# Altium PCB PCB_Organo_Prueba.PcbDoc (part 2 of 2)
Units mm, origin at the board's own origin, x right, y up, seen from the top; angles counter-clockwise.
Board outline 122.86 x 89.76 mm, 2 copper layers (Top Layer, Bottom Layer); 83 components, 115 nets, 396 pads, 122 vias.
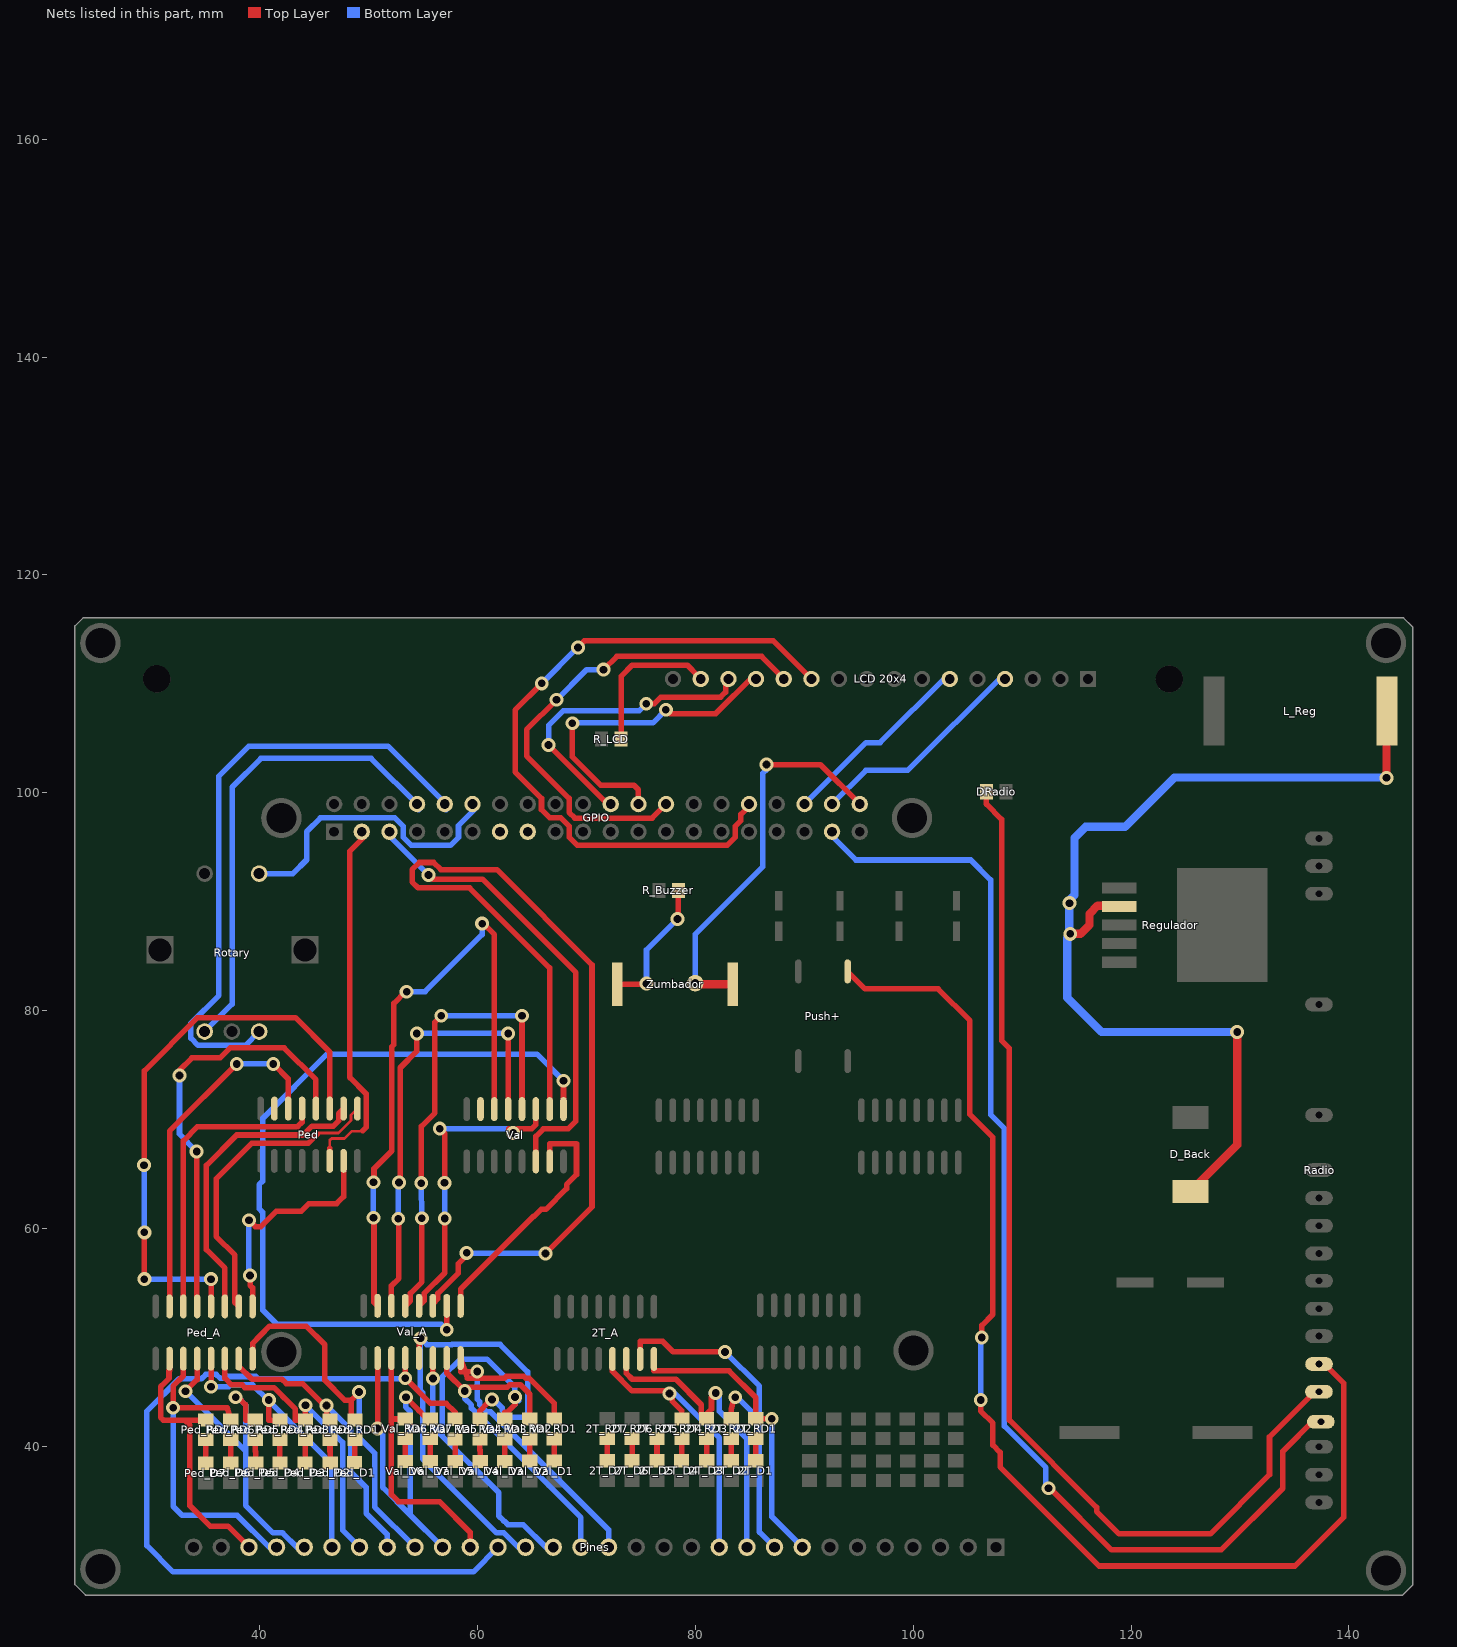
[diagram p2: the nets of this part, all layers, seen from the top]

## Via types
v1: diameter 1.27, hole 0.711, Top Layer to Bottom Layer, 122 vias

## Nets (pads, with @x,y where several pads share a name; then routed paths per layer and width w, separated by ;. In a path a pad name is that pad's centre, name@x,y a point inside that pad or via, vN(x,y) a via of type N, cw(c..) or ccw(c..) an arc to the next point about the centre after c; other vN are vias at no path point) (continued)
Net2T_A_13: 2T_A.13 2T_RD4.1 Pines.11 | length 26.3
  Top Layer w0.508: 2T_A.13@72.39,48.019 72.39,46.888 74.193,45.085 77.521,45.085 77.876,44.729 77.876,44.145 78.765,43.256 2T_RD4.1@78.765,42.52
  Bottom Layer w0.508: v1@77.749,44.983 78.003,44.983 82.194,40.792 Pines.11@82.194,30.734
  other v1: 77.622,44.856
Net2T_A_14: 2T_A.14 2T_RD3.1 Pines.10 | length 29.5
  Top Layer w0.508: 2T_A.14@73.66,48.019 73.66,46.696 74.204,46.152 78.207,46.152 80.543,43.815 80.543,43.013 2T_RD3.1@81.026,42.531 81.026,42.951 81.483,43.409 81.483,44.501 v1(81.864,44.882)
  Bottom Layer w0.508: v1@81.636,45.034 81.483,44.882 81.813,44.882 82.194,44.501 82.194,43.231 84.734,40.691 Pines.10@84.734,30.734
Net2T_A_15: 2T_A.15 2T_RD2.1 Pines.9 | length 34.7
  Top Layer w0.508: 2T_A.15@74.93,48.019 74.93,49.627 77.008,49.627 77.969,48.666 v1(82.728,48.666) ; 2T_RD2.1@83.287,42.531 83.287,43.383 v1@83.538,44.422
  Bottom Layer w0.508: v1(82.728,48.666) 85.877,45.517 85.877,42.469 ; v1@83.538,44.422 83.924,44.422 85.877,42.469 ; Pines.9@87.274,30.734 85.877,32.131 85.877,42.469
  other v1: 83.668,44.501
Net2T_A_16: 2T_A.16 2T_RD1.1 Pines.8 | length 27.8
  Top Layer w0.508: 2T_A.16@76.2,48.019 76.2,46.914 83.101,46.914 85.547,44.468 2T_RD1.1@85.547,42.531 v1(87.02,42.531)
  Bottom Layer w0.508: v1(87.02,42.531) 87.02,33.528 Pines.8@89.814,30.734
Net2T_D1_1: 2T_D1.1 2T_RD1.2 | length 2.1
  Top Layer w0.508: 2T_D1.1@85.547,38.67 2T_RD1.2@85.547,40.731
Net2T_D2_1: 2T_D2.1 2T_RD2.2 | length 2.1
  Top Layer w0.508: 2T_D2.1@83.287,38.67 2T_RD2.2@83.287,40.731
Net2T_D3_1: 2T_D3.1 2T_RD3.2 | length 2.1
  Top Layer w0.508: 2T_RD3.2@81.026,40.731 81.026,39.7 81.051,39.675 2T_D3.1@81.051,38.67
Net2T_D4_1: 2T_D4.1 2T_RD4.2 | length 2.1
  Top Layer w0.508: 2T_D4.1@78.74,38.67 78.74,39.675 78.765,39.7 2T_RD4.2@78.765,40.72
Net2T_D5_1: 2T_D5.1 2T_RD5.2 | length 2.1
  Top Layer w0.508: 2T_D5.1@76.479,38.67 2T_RD5.2@76.479,40.731
Net2T_D6_1: 2T_D6.1 2T_RD6.2 | length 2.1
  Top Layer w0.508: 2T_D6.1@74.193,38.67 2T_RD6.2@74.193,40.731
Net2T_D7_1: 2T_D7.1 2T_RD7.2 | length 2.1
  Top Layer w0.508: 2T_D7.1@71.907,38.67 2T_RD7.2@71.907,40.731
NetD_Back_K: D_Back.K L_Reg.2 Regulador.2 | length 91.4
  Top Layer w0.762: v1(114.427,87.046) 115.367,87.046 116.18,87.859 116.18,88.881 116.934,89.635 Regulador.2@118.257,89.635 ; D_Back.K@125.476,63.402 129.743,67.669 v1(129.743,78.029) ; v1(143.459,101.371) L_Reg.2@143.459,107.848
  Bottom Layer w0.762: v1(114.427,87.046) 114.325,87.147 114.325,90.119 114.808,90.602 114.808,95.86 115.824,96.876 119.456,96.876 123.977,101.397 143.434,101.397 v1(143.459,101.371) ; v1@114.579,87.122 114.148,86.69 114.148,81.178 117.297,78.029 v1(129.743,78.029)
  other v1: 114.351,89.865
NetDRadio_2: DRadio.2 Radio.21 | length 98.6
  Top Layer w0.508: DRadio.2@106.72,100.101 106.72,98.969 108.128,97.561 108.128,77.241 108.839,76.53 108.839,42.393 116.84,34.392 116.84,34.011 118.897,31.953 127.279,31.953 132.715,37.389 132.715,40.863 Radio.21@136.886,45.034
NetGPIO_3: GPIO.3 Ped.14 | length 33.5
  Top Layer w0.254: 46.431,67.356 46.431,68.097 46.588,68.254 47.791,68.254 48.468,68.931 49.474,68.931
  Top Layer w0.508: Ped.14@46.431,66.205 46.431,67.356 ; 49.458,68.956 49.779,69.277 49.779,72.364 48.285,73.858 48.285,94.64 GPIO.3@49.53,95.885
NetGPIO_5: GPIO.5 Val.14 | length 42.3
  Top Layer w0.508: v1(55.499,92.456) 55.88,92.075 60.452,92.075 69.037,83.49 69.037,69.85 68.326,69.139 66.04,69.139 65.354,68.453 Val.14@65.354,66.155
  Bottom Layer w0.508: GPIO.5@52.07,95.885 v1(55.499,92.456)
NetGPIO_8: GPIO.8 Rotary.A | length 43.9
  Bottom Layer w0.508: Rotary.A@34.95,78.08 37.465,80.594 37.465,100.508 40.107,103.149 50.241,103.149 54.61,98.781 GPIO.8@54.61,98.425
NetGPIO_10: GPIO.10 Rotary.B | length 57
  Bottom Layer w0.508: Rotary.B@39.95,78.08 38.68,76.81 34.341,76.81 33.68,77.47 33.68,78.842 36.246,81.407 36.246,101.524 39.014,104.292 51.765,104.292 57.15,98.908 GPIO.10@57.15,98.425
NetGPIO_12: GPIO.12 Rotary.E | length 27
  Bottom Layer w0.508: Rotary.E@39.95,92.58 43.05,92.58 44.323,93.853 44.323,96.444 45.58,97.7 52.415,97.7 53.2,96.915 53.2,95.897 53.937,95.16 57.519,95.16 58.256,95.897 58.256,96.991 GPIO.12@59.69,98.425
NetGPIO_13: GPIO.13
NetGPIO_15: GPIO.15
NetGPIO_22: "LCD 20x4.14" GPIO.22 | length 28.6
  Top Layer w0.508: v1(66.523,104.394) GPIO.22@72.034,98.882 ; v1(75.489,108.179) 76.235,108.179 76.844,108.788 82.321,108.788 82.781,109.248 82.781,110.74
  Bottom Layer w0.508: v1(66.523,104.394) 66.523,106.181 67.86,107.518 74.828,107.518 v1(75.489,108.179)
NetGPIO_24: "LCD 20x4.13" GPIO.24 | length 30.4
  Top Layer w0.508: v1(68.707,106.375) 68.707,103.302 71.298,100.711 74.346,100.711 74.778,100.279 GPIO.24@74.778,98.958 ; v1(77.292,107.62) 77.648,107.264 81.875,107.264 85.321,110.71 85.321,110.74
  Bottom Layer w0.508: v1@68.732,106.401 68.758,106.426 76.098,106.426 v1(77.292,107.62)
NetGPIO_26: "LCD 20x4.12" GPIO.26 | length 46
  Top Layer w0.508: v1(67.259,108.534) 64.516,105.791 64.516,103.379 68.416,99.479 68.416,98.194 68.933,97.676 76.036,97.676 GPIO.26@77.318,98.958 GPIO.26@77.294,98.958 ; v1(71.577,111.303) 72.796,112.522 86.079,112.522 87.861,110.74
  Bottom Layer w0.508: v1@67.12,108.394 70.028,111.303 v1(71.577,111.303)
NetGPIO_32: "LCD 20x4.11" GPIO.32 | length 64.7
  Top Layer w0.508: v1(65.9,110.045) 63.449,107.594 63.449,101.906 65.876,99.479 65.876,98.461 66.637,97.7 67.655,97.7 68.44,96.915 68.44,95.897 69.177,95.16 82.919,95.16 83.656,95.897 83.656,96.915 84.177,97.437 84.177,98.02 84.938,98.781 GPIO.32@84.938,98.958 ; v1(69.215,113.335) 69.19,113.335 69.799,113.944 87.173,113.944 90.377,110.74 90.401,110.74
  Bottom Layer w0.508: v1(65.9,110.045) 69.19,113.335 v1(69.215,113.335)
NetGPIO_36: "LCD 20x4.6" GPIO.36 | length 18
  Bottom Layer w0.508: GPIO.36@90.018,98.958 90.17,99.111 95.669,104.61 96.97,104.61 103.101,110.74
NetGPIO_37: GPIO.37 Radio.22 | length 107.9
  Top Layer w0.508: v1(112.42,36.144) 112.547,36.144 118.212,30.48 128.27,30.48 133.934,36.144 133.934,39.543 Radio.22@136.886,42.494
  Bottom Layer w0.508: GPIO.37@92.71,95.885 92.71,95.86 94.742,93.828 105.283,93.828 107.112,91.999 107.112,70.45 108.382,69.18 108.382,41.859 112.192,38.049 112.192,36.373 v1(112.42,36.144)
NetGPIO_38: "LCD 20x4.4" GPIO.38 | length 20.5
  Bottom Layer w0.508: GPIO.38@92.558,98.958 95.656,102.057 99.498,102.057 108.181,110.74
NetGPIO_40: GPIO.40 pad.1 Zumbador.1 | length 36
  Top Layer w0.508: v1(86.538,102.591) 91.465,102.591 GPIO.40@95.098,98.958
  Top Layer w0.762: pad.1@80.251,82.41 Zumbador.1@83.432,82.41
  Bottom Layer w0.508: pad.1@79.985,82.525 79.985,86.995 86.208,93.218 86.208,101.803 86.512,102.108 86.512,102.565 v1(86.538,102.591)
"NetLCD 20x4_15": "LCD 20x4.15" R_LCD.1 | length 13.6
  Top Layer w0.508: R_LCD.1@73.203,104.927 73.203,110.719 74.192,111.708 79.273,111.708 80.241,110.74
NetPed_1: Ped.1 Ped_A.2 | length 29.2
  Top Layer w0.254: 45.263,68.762 47.221,68.762 48.382,69.923 48.382,70.416 Ped.1@48.971,71.005
  Top Layer w0.508: Ped_A.2@38.075,52.844 37.719,53.2 37.719,57.544 35.992,59.271 35.992,64.541 39.268,67.818 44.45,67.818 45.267,68.635 ; Ped.1@48.971,70.256 Ped.1@48.971,71.005
NetPed_2: Ped.2 Ped_A.3 | length 29
  Top Layer w0.508: Ped_A.3@36.805,52.844 36.805,56.363 35.103,58.064 35.103,65.786 37.897,68.58 43.993,68.58 44.81,69.397 46.766,69.397 47.239,69.871 47.239,70.543 Ped.2@47.701,71.005 Ped.2@47.701,70.781
NetPed_3: Ped.3 Ped_A.4 | length 53.3
  Top Layer w0.508: v1(29.388,65.811) 29.413,65.837 29.413,74.473 34.29,79.35 43.282,79.35 46.431,76.2 Ped.3@46.431,71.005 ; v1(29.413,55.347) v1(29.413,59.639) ; Ped_A.4@35.535,52.844 v1(35.535,55.347)
  Bottom Layer w0.508: v1@29.388,59.665 v1(29.388,65.811) ; v1(29.413,55.347) v1(35.535,55.347)
NetPed_4: Ped.4 Ped_A.5 | length 39.6
  Top Layer w0.508: v1(32.639,74.041) 32.639,74.524 33.782,75.667 36.373,75.667 37.287,76.581 42.24,76.581 45.161,73.66 Ped.4@45.161,71.005 ; Ped_A.5@34.214,52.844 v1(34.214,67.056)
  Bottom Layer w0.508: v1(32.639,74.041) 32.639,68.682 v1(34.214,67.056)
NetPed_5: Ped.5 Ped_A.6 | length 28.1
  Top Layer w0.508: Ped_A.6@32.995,52.844 32.995,68.047 34.29,69.342 43.485,69.342 43.891,69.748 Ped.5@43.891,71.005
NetPed_6: Ped.6 Ped_A.7 | length 32.8
  Top Layer w0.508: Ped_A.7@31.725,52.844 31.725,68.936 v1(37.897,75.108) ; v1(41.25,75.108) 42.621,73.736 Ped.6@42.621,71.005
  Bottom Layer w0.508: v1(37.897,75.108) v1(41.25,75.108)
NetPed_7: Ped.7
NetPed_15: Ped.15 Ped_A.1 | length 21.4
  Top Layer w0.508: v1(39.014,60.757) 39.599,60.173 40.107,60.173 41.529,61.595 43.831,61.595 44.517,62.281 47.066,62.281 47.701,62.916 Ped.15@47.701,66.205 ; v1(39.116,55.677) 39.116,54.762 39.345,54.534 Ped_A.1@39.345,52.844
  Bottom Layer w0.508: v1(39.014,60.757) 39.014,55.778 v1(39.116,55.677)
NetPed_A_10: Ped_A.10 Ped_RD7.1 Pines.28 | length 24.4
  Top Layer w0.508: Ped_A.10@31.725,48.044 31.725,46.965 31.674,46.914 31.674,46.23 31.293,45.849 31.293,45.847 30.912,45.466 30.912,42.647 31.166,42.393 Ped_RD7.1@34.467,42.393 ; 33.122,42.393 33.579,41.935 33.579,34.544 35.458,32.664 37.084,32.664 Pines.28@39.014,30.734
NetPed_A_11: Ped_A.11 Ped_RD6.1 Pines.27 | length 31.1
  Top Layer w0.508: Ped_A.11@32.995,48.044 32.995,46.473 32.055,45.533 v1(32.055,43.536) 37.008,43.536 Ped_RD6.1@37.338,42.404
  Bottom Layer w0.508: v1(32.055,43.536) 32.055,34.493 32.893,33.655 37.943,33.655 40.864,30.734 Pines.27@41.554,30.734
NetPed_A_12: Ped_A.12 Ped_RD5.1 Pines.26 | length 32.1
  Top Layer w0.508: v1(33.198,45.06) 34.265,46.126 Ped_A.12@34.265,48.044 ; v1(37.795,44.501) 37.998,44.501 38.71,43.79 38.71,42.404 Ped_RD5.1@39.599,42.404
  Bottom Layer w0.508: v1(33.198,45.06) 38.71,39.548 ; v1(37.795,44.501) 37.998,44.501 38.71,43.79 38.71,39.548 ; Pines.26@44.094,30.734 43.404,30.734 42.096,32.042 41.237,32.042 38.71,34.569 38.71,39.548
NetPed_A_13: Ped_A.13 Ped_RD4.1 Pines.25 | length 27.4
  Top Layer w0.508: v1(35.535,45.466) Ped_A.13@35.535,48.044 ; v1(40.843,44.247) 40.843,43.764 40.869,43.739 40.843,43.713 40.843,42.404 Ped_RD4.1@41.859,42.404
  Bottom Layer w0.508: v1(35.535,45.466) 37.144,45.466 37.322,45.644 39.345,45.644 v1@40.843,44.145 ; v1@40.805,44.209 46.634,38.379 Pines.25@46.634,30.734
NetPed_A_14: Ped_A.14 Ped_RD3.1 Pines.24 | length 27.7
  Top Layer w0.508: Ped_A.14@36.805,48.044 36.805,46.253 37.414,45.644 38.379,45.644 38.633,45.39 41.317,45.39 42.134,44.572 42.134,44.552 ; 42.215,44.475 43.282,43.409 43.282,42.404 Ped_RD3.1@44.196,42.404 v1(44.196,43.764)
  Bottom Layer w0.508: v1(44.196,43.764) 47.606,40.354 47.606,32.302 Pines.24@49.174,30.734
NetPed_A_15: Ped_A.15 Ped_RD2.1 Pines.23 | length 28.1
  Top Layer w0.508: Ped_A.15@38.111,47.295 38.075,47.295 Ped_A.15@38.075,48.044 38.075,47.372 39.295,46.152 42.037,46.152 42.443,45.745 43.942,45.745 45.95,43.738 46.163,43.738 v1@46.162,43.703 ; v1(46.126,43.739) v1@46.162,43.703 ; Ped_RD2.1@46.457,42.404 46.126,42.404 46.127,42.413 v1@46.162,43.703
  Bottom Layer w0.508: v1(46.126,43.739) 48.368,41.497 48.368,37.649 49.784,36.233 49.784,33.833 51.714,31.902 Pines.23@51.714,30.734
NetPed_A_16: Ped_A.16 Ped_RD1.1 Pines.22 | length 36
  Top Layer w0.508: Ped_A.16@39.345,47.241 Ped_A.16@39.345,48.044 39.345,49.454 40.1,50.209 40.1,50.22 40.908,51.029 44.272,51.029 45.974,49.327 45.974,46.076 47.803,44.247 48.412,44.247 ; Ped_RD1.1@48.743,42.418 48.412,42.748 48.412,44.247 ; v1(49.13,44.983) 48.412,44.266 48.412,44.247
  Bottom Layer w0.508: v1(49.13,44.983) 49.13,40.786 50.55,39.366 50.55,34.438 Pines.22@54.254,30.734
NetPed_D1_1: Ped_D1.1 Ped_RD1.2 | length 2.1
  Top Layer w0.508: Ped_D1.1@48.717,38.492 48.717,39.522 48.743,39.548 Ped_RD1.2@48.743,40.618
NetPed_D2_1: Ped_D2.1 Ped_RD2.2 | length 2.1
  Top Layer w0.508: Ped_RD2.2@46.457,40.604 46.457,39.548 46.482,39.522 Ped_D2.1@46.482,38.467
NetPed_D3_1: Ped_D3.1 Ped_RD3.2 | length 2.1
  Top Layer w0.508: Ped_D3.1@44.171,38.467 44.171,39.522 44.196,39.548 Ped_RD3.2@44.196,40.604
NetPed_D4_1: Ped_D4.1 Ped_RD4.2 | length 2.1
  Top Layer w0.508: Ped_D4.1@41.859,38.467 Ped_RD4.2@41.859,40.604
NetPed_D5_1: Ped_D5.1 Ped_RD5.2 | length 2.2
  Top Layer w0.508: Ped_RD5.2@39.599,40.604 39.599,39.548 39.649,39.497 Ped_D5.1@39.649,38.467
NetPed_D6_1: Ped_D6.1 Ped_RD6.2 | length 2.1
  Top Layer w0.508: Ped_D6.1@37.338,38.467 Ped_RD6.2@37.338,40.604
NetPed_D7_1: Ped_D7.1 Ped_RD7.2 | length 2.2
  Top Layer w0.508: Ped_D7.1@35.052,38.441 Ped_RD7.2@35.052,40.604
NetPines_15: Pines.15 Val_A.16 Val_RD1.1 | length 36.6
  Top Layer w0.508: v1(59.969,46.863) 58.864,46.863 ; Val_RD1.1@67.056,42.491 67.056,43.936 64.764,46.228 64.441,46.228 64.238,46.431 62.66,46.431 62.457,46.228 59.08,46.228 58.864,46.863 ; 58.864,46.863 58.445,46.863 Val_A.16@58.445,48.095 58.864,46.863
  Bottom Layer w0.508: v1(59.969,46.863) 59.969,44.334 60.198,44.105 60.198,43.824 60.868,43.155 61.214,43.155 72.034,32.334 Pines.15@72.034,30.734
NetPines_16: Pines.16 Val_A.15 Val_RD2.1 | length 31.4
  Top Layer w0.508: Val_A.15@57.175,48.095 57.175,46.736 v1@58.8,45.112 ; v1(58.826,45.085) v1@58.8,45.112 ; Val_RD2.1@64.795,42.491 64.795,44.796 63.923,45.669 62.976,45.669 62.747,45.441 59.128,45.441 v1@58.8,45.112
  Bottom Layer w0.508: v1(58.826,45.085) 58.826,44.399 59.436,43.79 59.436,43.509 69.494,33.45 Pines.16@69.494,30.734
NetPines_17: Pines.17 Val_A.14 Val_RD3.1 | length 41.6
  Top Layer w0.508: v1(55.905,46.228) Val_A.14@55.905,48.095 ; Val_RD3.1@62.509,42.48 62.509,43.104 62.713,43.104 63.449,43.84 v1(63.449,44.526)
  Bottom Layer w0.508: v1(55.905,46.228) 55.905,41.783 56.759,40.929 ; 62.433,33.122 61.951,33.604 61.951,35.738 56.759,40.929 ; 62.459,33.122 62.776,32.804 64.194,32.804 66.264,30.734 Pines.17@66.954,30.734 ; 63.449,43.84 v1(63.449,44.526) ; v1@63.792,44.183 63.398,44.577 63.398,45.466 60.858,48.006 58.42,48.006 56.759,46.345 56.759,40.929
NetPines_18: Pines.18 Val_A.13 Val_RD4.1 | length 47
  Top Layer w0.508: Val_A.13@54.635,48.095 54.635,49.784 v1(54.762,49.911) ; Val_RD4.1@60.223,42.48 60.223,43.256 v1@60.935,43.967
  Bottom Layer w0.508: v1(61.341,44.298) 61.493,44.298 62.255,43.536 62.255,43.316 62.925,42.647 64.541,42.647 64.541,42.926 64.592,42.977 64.592,46.838 62.078,49.352 57.674,49.352 57.649,49.327 55.347,49.327 v1(54.762,49.911) 54.762,45.137 54.967,44.932 54.967,38.835 61.76,32.042 62.416,32.042 63.724,30.734 Pines.18@64.414,30.734
NetPines_19: Pines.19 Val_A.12 Val_RD5.1 | length 80.3
  Top Layer w0.508: Val_A.12@53.365,48.095 v1(53.365,46.253) 55.677,43.942 57.125,43.942 57.937,43.129 Val_RD5.1@57.937,42.48
  Bottom Layer w0.508: v1(53.365,46.253) 53.315,46.203 39.863,46.203 39.66,46.406 37.006,46.406 36.828,46.228 36.389,46.228 36.008,46.609 35.061,46.609 34.655,46.203 32.614,46.203 29.642,43.231 29.642,30.886 32.055,28.473 59.614,28.473 Pines.19@61.874,30.734
NetPines_20: Pines.20 Val_A.11 Val_RD6.1 | length 23.8
  Top Layer w0.508: Val_A.11@52.095,48.095 52.095,42.505 ; Val_RD6.1@53.365,42.505 52.095,42.505 ; Pines.20@59.334,30.734 59.334,32.099 56.515,34.918 52.737,34.918 52.095,35.56 52.095,42.505
NetPines_21: Pines.21 Val_A.10 Val_RD7.1 | length 34.4
  Top Layer w0.508: v1(50.825,41.631) Val_A.10@50.825,48.095 ; v1@53.391,44.45 v1(53.442,44.501) 54.624,43.267 55.651,42.189 Val_RD7.1@55.651,42.505
  Bottom Layer w0.508: v1(50.825,41.631) 51.312,41.144 51.312,36.216 53.823,33.706 ; v1(53.442,44.501) 53.391,43.612 53.823,43.18 53.823,33.706 ; Pines.21@56.794,30.734 53.823,33.706
NetPush+_1: Push+.1 Radio.20 | length 109
  Top Layer w0.508: Push+.1@93.98,83.591 95.58,81.991 102.287,81.991 105.199,79.079 105.199,70.467 107.315,68.351 107.315,52.121 106.299,51.105 v1(106.299,49.987) v1@106.197,49.886 ; v1(106.197,44.247) 106.197,43.256 107.315,42.139 107.315,40.107 107.975,39.446 107.975,38.1 117.069,29.007 135.052,29.007 139.522,33.477 139.522,45.796 137.744,47.574 Radio.20@136.881,47.574
  Bottom Layer w0.508: v1(106.197,44.247) v1@106.197,49.886
NetR_Buzzer_2: R_Buzzer.2 Zumbador.2 | length 12.4
  Top Layer w0.508: Zumbador.2@72.832,82.41 v1@75.514,82.41 ; v1@78.446,88.417 R_Buzzer.2@78.446,91.034
  Bottom Layer w0.508: v1(75.514,82.474) 75.514,85.573 v1(78.359,88.417)
NetVal_1: Val.1 Val_A.2 | length 71.4
  Top Layer w0.508: v1(57.175,50.698) Val_A.2@57.175,52.895 ; Val.1@67.894,70.955 v1(67.894,73.558)
  Bottom Layer w0.508: v1(57.175,50.698) 56.667,51.206 41.58,51.206 40.284,52.502 40.284,61.481 39.954,61.811 39.954,64.021 40.284,64.351 40.284,70.104 46.177,75.997 65.456,75.997 v1(67.894,73.558)
NetVal_2: Val.2 Val_A.3 | length 92.4
  Top Layer w0.508: Val_A.3@55.905,52.895 55.905,53.088 56.367,53.55 56.367,54.03 58.242,55.905 58.242,56.769 59.03,57.556 v1@59.03,57.785 ; v1(66.243,57.709) 70.51,61.976 70.51,84.201 61.773,92.939 56.633,92.939 55.972,93.599 54.661,93.599 54,92.939 54,91.821 54.559,91.262 59.284,91.262 66.624,83.922 Val.2@66.624,70.955
  Bottom Layer w0.508: v1@58.928,57.709 v1(66.243,57.709)
  other v1: 59.004,57.76
NetVal_3: Val.3 Val_A.4 | length 28.2
  Top Layer w0.508: Val_A.4@54.635,52.895 55.097,53.357 55.097,54.03 56.998,55.93 v1(56.998,60.909) ; v1(56.54,69.164) 56.998,68.707 v1@56.998,64.186 ; v1@62.865,69.164 v1(63.271,68.758) 63.678,69.164 64.988,69.164 65.354,69.531 Val.3@65.354,70.955
  Bottom Layer w0.508: v1(56.54,69.164) v1@62.865,69.164 ; v1(56.998,60.909) v1@56.998,64.186
  other v1: 56.972,64.186
NetVal_4: Val.4 Val_A.5 | length 44
  Top Layer w0.508: Val_A.5@53.365,52.895 53.827,53.357 53.827,54.03 54.889,55.092 v1(54.889,60.935) ; v1(54.839,64.16) 54.839,69.367 56.083,70.612 56.083,78.943 v1(56.667,79.527) ; Val.4@64.084,70.955 v1(64.084,79.527)
  Bottom Layer w0.508: v1(54.839,64.16) v1(54.889,60.935) ; v1(56.667,79.527) v1(64.084,79.527)
NetVal_5: Val.5 Val_A.6 | length 41.3
  Top Layer w0.508: Val_A.6@52.095,52.895 52.095,54.737 52.781,55.423 52.781,60.833 v1(52.73,60.884) ; v1(52.781,64.211) 52.908,64.338 52.908,74.752 54.432,76.276 v1(54.432,77.902) ; Val.5@62.814,70.955 v1(62.814,77.902)
  Bottom Layer w0.508: v1(52.73,60.884) v1@52.73,64.211 ; v1(54.432,77.902) v1(62.814,77.902)
NetVal_6: Val.6 Val_A.7 | length 58
  Top Layer w0.508: v1(50.444,60.985) 50.495,60.935 50.495,53.225 Val_A.7@50.825,52.895 ; v1(50.444,64.237) 50.495,64.287 50.495,65.481 52.146,67.132 52.146,76.693 52.324,76.871 52.324,80.67 53.391,81.737 v1(53.492,81.737) ; v1(60.427,87.986) 60.528,87.986 61.544,86.97 Val.6@61.544,70.955
  Bottom Layer w0.508: v1(50.444,60.985) v1(50.444,64.237) ; v1(53.492,81.737) 55.194,81.737 60.427,86.97 v1(60.427,87.986)
NetVal_7: Val.7
NetVal_15: Val.15 Val_A.1 | length 23.7
  Top Layer w0.508: Val_A.1@58.445,52.895 58.445,54.419 65.164,61.138 65.227,61.138 65.837,61.747 66.281,61.747 68.186,63.652 68.186,64.033 69.088,64.935 69.088,67.767 66.624,67.767 Val.15@66.624,66.155
NetVal_D1_1: Val_D1.1 Val_RD1.2 | length 2.1
  Top Layer w0.508: Val_D1.1@67.056,38.63 Val_RD1.2@67.056,40.691
NetVal_D2_1: Val_D2.1 Val_RD2.2 | length 2.1
  Top Layer w0.508: Val_D2.1@64.795,38.63 Val_RD2.2@64.795,40.691
NetVal_D3_1: Val_D3.1 Val_RD3.2 | length 2.1
  Top Layer w0.508: Val_D3.1@62.509,38.619 Val_RD3.2@62.509,40.68
NetVal_D4_1: Val_D4.1 Val_RD4.2 | length 2.1
  Top Layer w0.508: Val_RD4.2@60.223,40.68 60.223,39.649 60.249,39.624 Val_D4.1@60.249,38.619
NetVal_D5_1: Val_D5.1 Val_RD5.2 | length 2.1
  Top Layer w0.508: Val_RD5.2@57.937,40.68 57.937,39.649 57.963,39.624 Val_D5.1@57.963,38.619
NetVal_D6_1: Val_D6.1 Val_RD6.2 | length 2.1
  Top Layer w0.508: Val_D6.1@53.365,38.594 Val_RD6.2@53.365,40.705
NetVal_D7_1: Val_D7.1 Val_RD7.2 | length 2.1
  Top Layer w0.508: Val_D7.1@55.651,38.594 Val_RD7.2@55.651,40.705
pads on no net: 1T.9 2T.9 "LCD 20x4.3" "LCD 20x4.7" "LCD 20x4.8" "LCD 20x4.9" "LCD 20x4.10" GPIO.1 GPIO.16 GPIO.17 GPIO.18 GPIO.19 GPIO.21 GPIO.23 GPIO.27 GPIO.28 GPIO.29 GPIO.31 GPIO.33 GPIO.35 Ped.9 Pines.29 Push+.2 Push+.4 Radio.3 Radio.11 Radio.13 Radio.14 Radio.17 Radio.23 Radio.24 Radio.25 Rotary. Val.9

## Polygon pours and split planes (outlines as drawn)
5V on Top Layer "5V" (solid, remove dead copper, pour order 51): 23.812,116.069 23.828,116.053 144.98,116.053 145.012,116.053 145.863,115.202 145.879,115.186 145.879,27.426 145.879,27.305 144.882,26.307 24.079,26.307 24.057,26.307 23.022,27.342 23.044,27.364 23.044,115.312
12V on Top Layer "12V" (solid, remove dead copper, pour order 49): 23.774,116.053 144.98,116.053 144.99,116.053 145.879,115.164 145.842,115.126 145.842,27.234 145.8,27.234 144.882,26.316 144.873,26.307 24.079,26.307 24.057,26.307 23.022,27.342 23.006,27.358 23.006,115.241
GND on Top Layer "GND" (solid, remove dead copper, pour order 47): 145.879,27.305 145.879,115.164 145.879,115.186 144.996,116.069 144.98,116.053 23.774,116.053 23.038,115.318 23.022,115.302 23.022,27.342 24.041,26.323 144.92,26.323

## Other copper
Top Layer:
  rectangle net 5V: 115.138,80.543 117.5,82.829
  rectangle net 5V: 116.23,78.969 134.595,82.118
  rectangle net 5V: 112.319,40.132 121.006,45.314
  rectangle net 12V: 28.092,107.747 28.854,112.928
  rectangle net 12V: 28.245,112.37 33.274,114.503
  rectangle net 12V: 32.106,108.204 33.604,111.557
  rectangle net 12V: 24.232,31.191 27.229,32.817
  rectangle net 12V: 31.115,91.999 33.325,95.91
  rectangle net 12V: 25.298,94.437 26.416,101.219
  rectangle net 12V: 27.813,107.645 28.575,114.097
  rectangle net 5V: 112.268,108.306 114.351,111.633
  rectangle net 12V: 27.534,101.93 32.106,108.636
  rectangle net 12V: 24.232,101.067 26.416,102.133
  rectangle net 5V: 102.057,92.075 105.588,104.851
  rectangle net 12V: 25.248,33.172 27.915,91.999
  rectangle net 5V: 125.679,103.861 128.219,111.15
  rectangle net 5V: 113.436,105.461 127.965,108.636
  rectangle net 5V: 112.065,66.142 112.674,76.225
  rectangle net 12V: 87.071,85.598 105.816,88.392
  rectangle net 12V: 84.658,85.141 88.316,88.367
  rectangle net 12V: 27.813,114.097 33.02,115.087
  rectangle net 12V: 115.951,90.526 120.828,96.215
  rectangle net 5V: 129.921,61.265 134.468,66.548
  rectangle net 5V: 129.921,50.394 134.468,61.265
  rectangle net 12V: 140.208,31.242 145.034,95.656
  rectangle net 5V: 116.967,40.132 123.19,45.695
  rectangle net 5V: 110.566,45.314 123.19,48.971
  rectangle net 12V: 117.475,53.696 122.352,76.733
  rectangle net 12V: 28.397,101.067 32.182,108.179
  rectangle net 12V: 26.416,94.437 33.325,102.133
  rectangle net 12V: 26.238,90.246 29.286,91.999
  rectangle net 12V: 28.372,89.205 33.325,91.999
  rectangle net 12V: 26.848,87.732 38.227,90.703
  rectangle net 12V: 32.131,111.963 62.027,115.087
  rectangle net 12V: 42.926,51.562 44.933,59.284
  rectangle net 12V: 95.758,60.782 97.561,62.23
  rectangle net 12V: 101.27,112.42 116.51,115.087
  rectangle net 12V: 62.027,114.452 101.549,115.087
  rectangle net 12V: 90.018,112.42 101.27,114.884
  rectangle net 12V: 84.658,79.883 88.341,85.141
  rectangle net 12V: 86.665,69.418 88.341,80.366
  rectangle net 12V: 32.131,111.404 62.027,112.319
  rectangle net 12V: 27.102,78.334 30.988,82.398
  rectangle net 12V: 86.665,79.781 88.341,83.566
  rectangle net 12V: 80.797,50.267 84.404,52.299
  rectangle net 12V: 51.994,104.343 54.94,107.772
  rectangle net 12V: 31.801,106.985 41.605,108.28
  rectangle net 12V: 32.461,106.985 54.966,112.065
  region net 12V: 31.771,103.214 52.675,103.135 52.678,103.847 31.774,103.926
  rectangle net 12V: 25.07,52.248 25.298,101.219
  rectangle net 12V: 24.917,31.826 27.203,52.248
  rectangle net 12V: 43.358,51.537 45.441,59.309
  rectangle net 12V: 41.529,51.562 45.009,57.201
  rectangle net 12V: 42.596,51.562 45.237,59.309
  rectangle net 12V: 45.39,55.448 46.279,59.309
  rectangle net 12V: 28.143,46.279 29.312,47.727
  rectangle net 12V: 30.124,49.632 31.09,50.825
  rectangle net 12V: 83.744,50.292 84.988,52.299
  rectangle net 12V: 49.428,77.394 51.562,92.608
  rectangle net 12V: 37.059,103.124 54.966,107.721
  rectangle net 5V: 110.566,45.314 112.319,97.18
  rectangle net 5V: 109.093,79.629 112.243,97.18
  rectangle net 5V: 57.455,101.752 61.747,108.814
  rectangle net 5V: 80.747,105.054 113.487,106.502
  rectangle net 5V: 79.375,105.893 81.788,106.502
  rectangle net 5V: 109.093,97.155 110.312,106.147
  rectangle net 5V: 108.077,99.238 109.779,105.131
  rectangle net 5V: 112.725,105.054 116.103,106.782
  rectangle net 5V: 114.935,101.295 116.078,105.512
  rectangle net 5V: 109.931,100.051 116.078,101.295
  rectangle net NetGPIO_3: 48.484,68.732 49.479,69.088
  rectangle net NetGPIO_3: 46.228,67.234 46.685,67.869
  rectangle net NetGPIO_3: 48.387,68.707 49.454,68.809
  rectangle net NetPed_1: 48.26,69.672 48.971,70.891
  rectangle net 12V: 25.07,31.217 26.111,52.248
  rectangle net 12V: 27.559,29.616 35.052,31.902
  rectangle net 12V: 27.203,45.923 29.312,52.248
  rectangle net 12V: 32.106,102.108 33.274,103.276
  rectangle net 12V: 24.232,31.471 25.07,101.067
  rectangle net 12V: 26.822,31.217 29.312,45.923
  rectangle net 12V: 27.559,28.118 35.077,29.718
  rectangle net 5V: 75.59,103.581 109.271,105.207
  rectangle net 5V: 79.604,104.775 82.017,106.604
  rectangle net 5V: 78.003,105.08 80.467,106.121
  rectangle net 5V: 78.765,105.893 80.924,106.578
  rectangle net 5V: 79.375,105.994 80.239,106.629
  rectangle net 5V: 77.749,104.851 78.613,105.461
  rectangle net 5V: 74.93,103.581 76.632,104.394
  rectangle net 5V: 77.419,92.71 96.799,94.107
  rectangle net 5V: 96.063,92.075 102.362,95.174
  rectangle net 5V: 100.305,99.847 102.946,105.537
  rectangle net 5V: 34.036,91.77 37.287,100.711
  rectangle net 5V: 34.036,100.178 61.747,102.184
  rectangle net 5V: 44.653,99.111 50.165,100.33
  rectangle net 5V: 56.363,101.6 58.725,103.429
  rectangle net 5V: 57.201,103.099 57.734,103.683
  rectangle net 5V: 55.702,101.93 56.667,102.514
  rectangle net 5V: 112.674,66.142 116.205,76.225
Multi-Layer:
  text "12V" at 32.741,104.851 h1.52
  text "5V" at 111.76,102.286 h1.52
  text "Modulo" at 111.252,98.857 h0.74
  text "de Radio" at 111.252,97.765 h0.74
  text "Rotary" at 26.187,92.761 h0.74
  text "Buzzer" at 68.885,91.237 h0.74
  text "Pulsador" at 95.275,83.922 h0.74
  text "Tecl.2" at 77.241,34.671 h0.74
  text "Tecl.1" at 92.888,34.671 h0.74
  text "Regis." at 62.814,34.519 h0.74
  text "Pedalera" at 40.361,34.442 h0.74
  text "GND" at 120.752,33.934 h1.52

## Silkscreen, mask and mechanical layers (free items; w line width, h text height)
Top Overlay:
  lines w0.013: 45.576,95.204 96.376,95.204 96.376,100.204 45.576,100.204 45.576,95.204 ; 45.576,95.229 96.376,95.229 96.376,100.229 45.576,100.229 45.576,95.229
Mechanical 1:
  lines w0.2: 149.911,105.969 149.911,106.934 150.597,107.62 152.933,107.62 ; 151.028,104.775 152.349,104.775
Mechanical 5:
  circle w0.013: c95.106,96.459 r0.8
Mechanical 13:
  lines w0.2: 24.587,113.843 24.689,113.741 ; 138.938,26.416 143.51,26.416 144.882,26.416 145.771,27.305 145.771,28.677 145.771,113.36 145.771,115.164 144.958,115.976 139.471,115.976 24.765,115.976 23.851,115.976 23.115,115.241 23.115,114.326 23.115,111.913 23.115,29.844 23.115,27.38 24.028,26.467 24.079,26.416 26.543,26.416 122.098,26.416 139.116,26.416

## Text inside footprints (layer, text, board x,y; h text height)
GPIO: Top Overlay "1" at 45.491,93.396 h1.27; Top Overlay "2" at 45.491,100.94 h1.27; Top Overlay "40" at 94.971,100.787 h1.27; Top Overlay "39" at 95.25,93.193 h1.27